# KiCad board RADAR_Main_Boardq.kicad_pcb (continued)
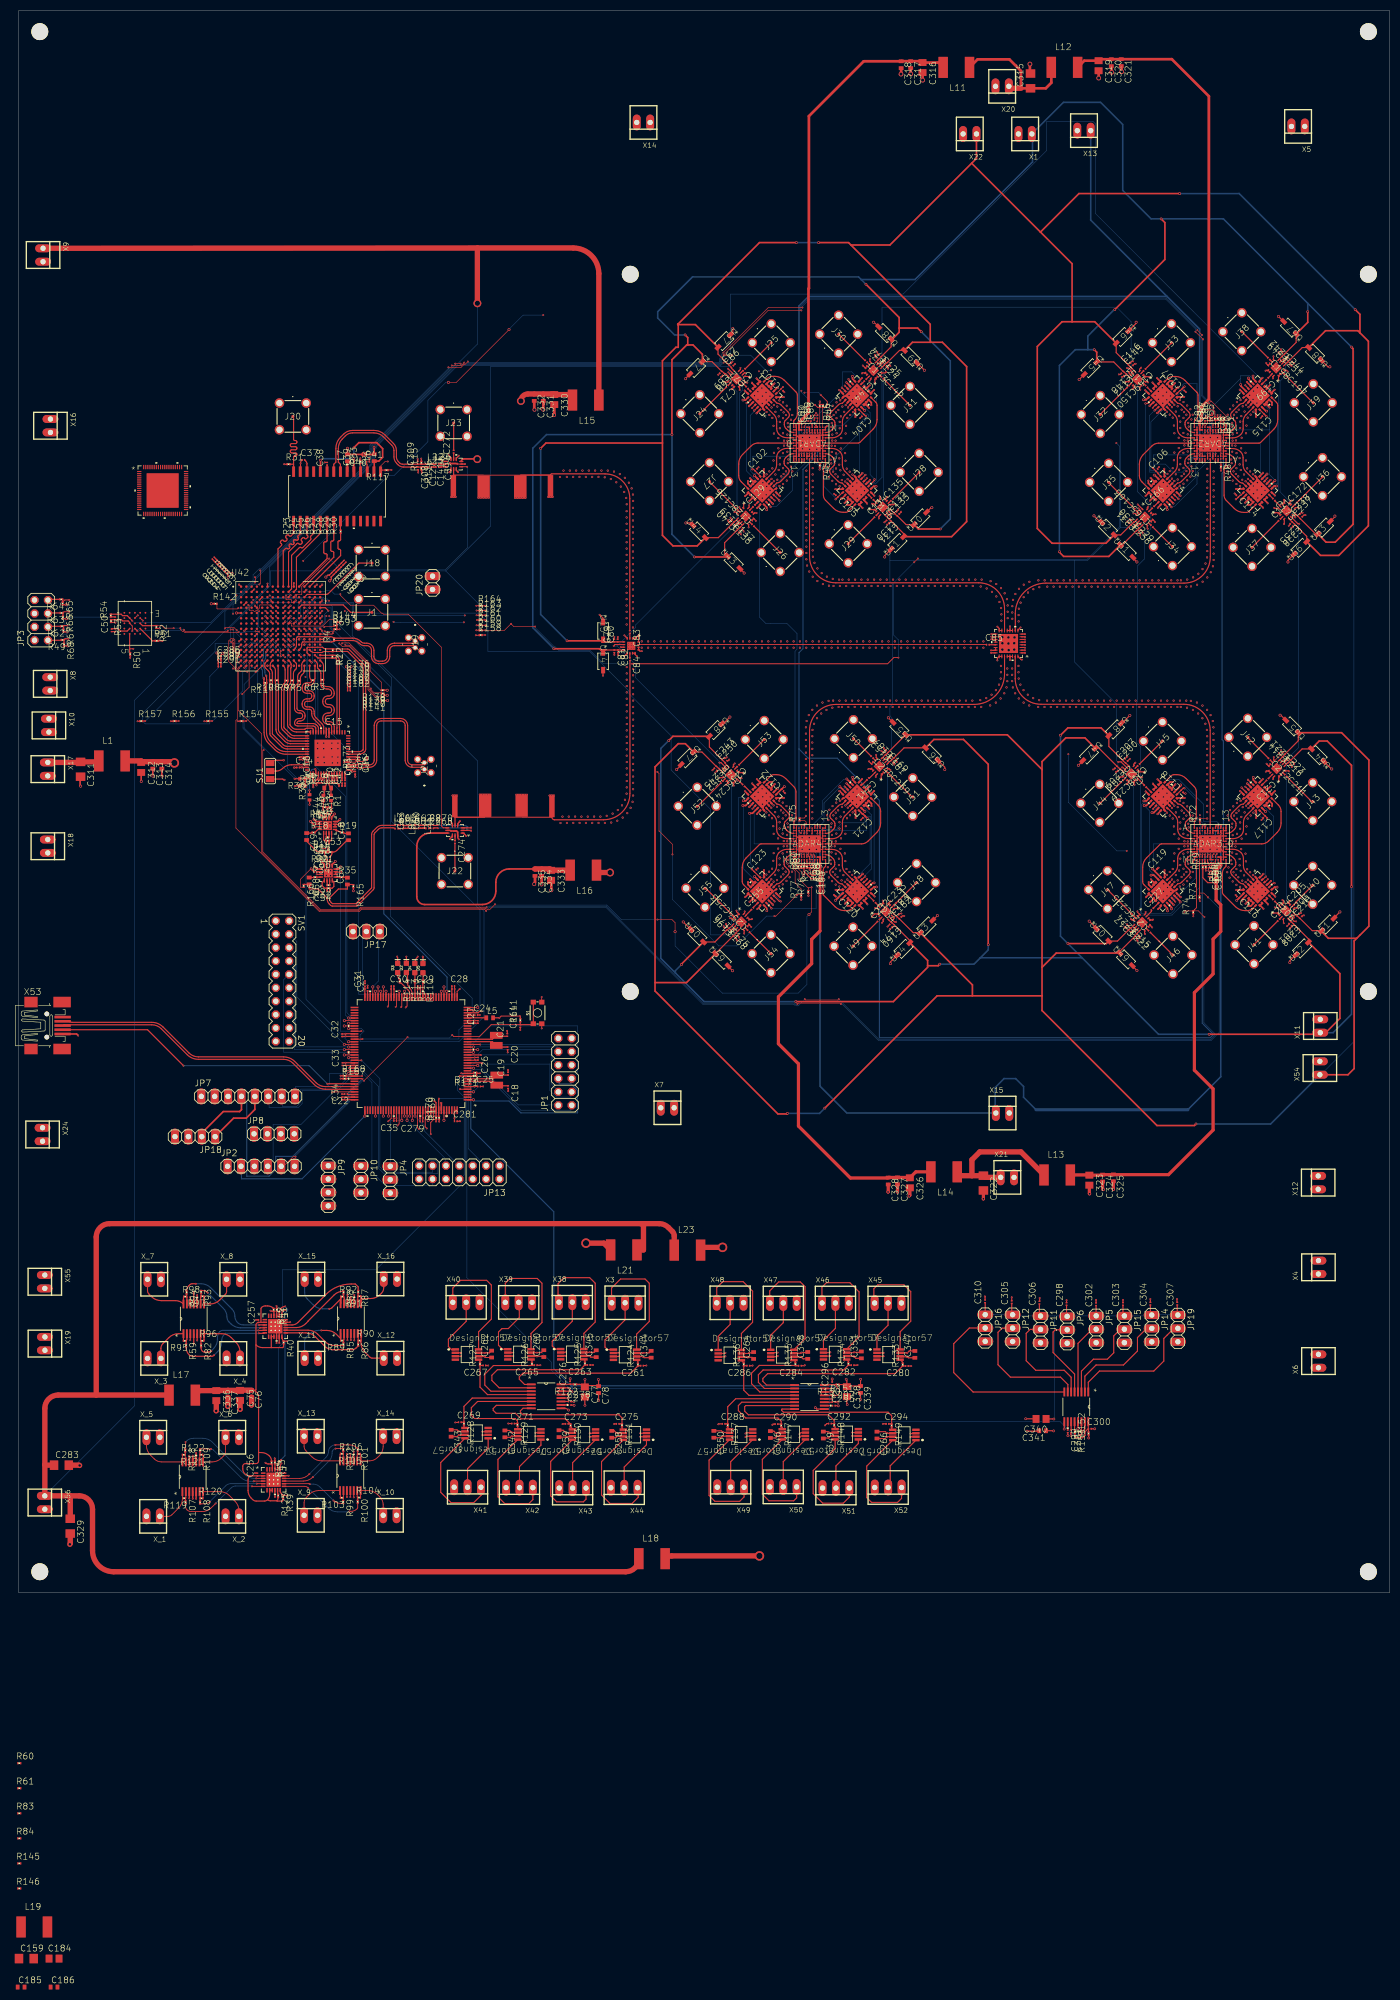
[diagram p0: board, top side]
## Routing (per net, layer and track width the routed paths; a pad name or vN(x,y) marks a point on that pad's centre or on a via; arc(x,y) is an arc through that point) (continued)
ACC_INT: length 23.2
  Top w0.152: U2.97 v5(61.76,98.98)
  Bottom w0.1: v5(61.76,98.98) 62,99 63.25,99 63.25,98.5 60.25,95.5 53.5,95.5 53.5,93 52.75,92.25 50,92.25 50,94 JP7.7
AD9523_CS: length 34.9
  Top w0.152: U2.19 v5(86.24,102.48)
  Bottom w0.1: v5(86.24,102.48) 86,102.5 85.75,102.75 85.75,103.75 89.5,107.5 106,107.5 106,98.75 105,97.75 JP1.5
AD9523_EEPROM_SEL: length 21
  Top w0.204: v1(87.55,103.95) 87.52,103.98 U2.22
  Bottom w0.1: JP1.11 104.75,105 104.75,104 87.5,104 v1(87.55,103.95)
AD9523_PD: length 24
  Top w0.152: U2.13 v5(86.24,99.48)
  Bottom w0.1: JP1.1 104.75,92.25 104.75,91.5 95.25,91.5 87.5,99.25 86.25,99.25 v5(86.24,99.48)
AD9523_REF_SEL: length 20.3
  Top w0.152: U2.14 v5(87.06,99.98)
  Bottom w0.1: v5(87.06,99.98) 87.25,100 94.75,92.5 102.25,92.5 JP1.2
AD9523_RESET: length 23.5
  Top w0.204: U2.18 87.62,101.98 v1(87.65,101.95)
  Bottom w0.1: v1(87.65,101.95) 87.75,102 101,102 101,96.5 102.25,95.25 102.25,95 JP1.4
AD9523_STATUS0: length 20.6
  Top w0.152: U2.20 v5(87.06,102.98)
  In5.Cu w0.1: v5(87.06,102.98) 87.25,103 88,103.75 103.75,103.75 104.75,102.75 JP1.9
AD9523_STATUS1: length 18.1
  Top w0.152: U2.21 v5(86.24,103.48)
  Bottom w0.1: JP1.10 102.25,102.75 102.25,103.5 86.25,103.5 v5(86.24,103.48)
AD9523_SYNC: length 26.3
  Top w0.204: v1(87.9,100.35) 87.9,100.4 87.82,100.48 U2.15
  Bottom w0.1: v1(87.9,100.35) 88,100.25 100.75,100.25 100.75,95.25 102,94 104.75,94 104.75,94.75 JP1.3
ADAR_1_CS_1V8: length 153.9
  Top w0.15: R154.2 43.14,165.29 v1(43.15,165.3) ; U42.L5 v2(45.81,180.41)
  Top w0.2: ADAR1_0.M3 152,219.95 v1(152.05,219.9)
  In5.Cu w0.1: v1(43.15,165.3) 43.25,165.25 80.5,165.25 97.5,182.25 117.75,182.25 139.5,204 140.75,204 140.75,205.5 143.5,208.25 144,208.25 151,215.25 152.5,215.25 152.5,219.25 152,219.75 v1(152.05,219.9)
  Bottom w0.1: v2(45.81,180.41) 45.75,180.25 45.25,179.75 45.25,167.25 43.25,165.25 v1(43.15,165.3)
ADAR_1_CS_3V3: length 199.4
  Top w0.15: U42.F14 v2(55.55,186.15)
  Top w0.204: U2.34 87.13,109.98 87.4,110.25 v1(87.8,110.25)
  In5.Cu w0.1: v2(55.55,186.15) 55.5,186 55.75,185.75 58,185.75 58,188.25 56.5,189.75 44.5,189.75 44.25,190 7.5,190 7.5,150.5 47.25,110.75 51.5,110.75 55.75,106.5 62.75,106.5 66.25,110 87.5,110 87.75,110.25 v1(87.8,110.25)
ADAR_2_CS_1V8: length 250.9
  Top w0.1: v5(93,239.5) 83,229.5 v5(81.5,229.5)
  Top w0.15: v1(36.7,165.3) 36.19,165.3 R155.2 ; U42.L4 v2(44.81,180.41)
  Top w0.2: ADAR2_0.M3 228.03,220.48 v1(228.03,220)
  In7.Cu w0.1: v2(44.81,180.41) 45,180.5 46.25,181.75 46.25,189 52.92,195.67 53.97,195.67 v1(53.97,195.67) ; v1(99.5,242.25) 211.25,242.25 222.5,231 222.5,227 228.25,221.25 228.25,220.25 228,220 v1(228.03,220)
  Bottom w0.1: v1(36.7,165.3) 36.75,165.25 42.5,171 42.5,174.5 43.25,175.25 43.25,179.5 44,180.25 44.75,180.25 v2(44.81,180.41) ; v1(53.97,195.67) 70.14,211.84 71.21,211.84 77.62,218.24 77.62,226.12 81,229.5 v5(81.5,229.5) ; v1(99.5,242.25) 95.67,242.25 93,239.58 v5(93,239.5)
ADAR_2_CS_3V3: length 94
  Top w0.15: U42.H16 v2(57.55,184.15)
  Top w0.152: U2.35 v5(86.24,110.48)
  Bottom w0.1: v5(86.24,110.48) 86,110.5 86,112.75 70.5,128.25 70.5,171.75 59.25,183 59.25,186.75 57.5,186.75 57,186.25 57,184.75 57.5,184.25 v2(57.55,184.15)
ADAR_3_CS_1V8: length 279.9
  Top w0.15: v1(30.35,165.3) 30.34,165.29 R156.2 ; U42.M4 v2(44.81,179.41)
  Top w0.2: v1(224.05,140.03) 224,139.98 ADAR3_0.M3
  In5.Cu w0.1: v1(199.09,159.01) 199.09,161.12 199.23,161.26 199.23,161.27 198.5,162 197.5,162 197,162.5 165,162.5 158.5,156 150.25,156 149.75,156.5 149,156.5 147.5,155 138.75,155 134.5,150.75 120.5,150.75 83.25,113.5 80,113.5 69.5,124 69.5,127.75 68,127.75 59.25,136.5 58,136.5 30.5,164 30.5,165.25 v1(30.35,165.3) ; v1(224.05,140.03) 224.05,140.4 222.45,142 218.76,142 217.44,140.68 210.16,140.68 v1(210.16,140.67)
  In7.Cu w0.1: v2(44.81,179.41) 44.75,179.5 44.25,179 44.25,176.25 33.25,165.25 30.5,165.25 v1(30.35,165.3)
  Bottom w0.1: v1(199.09,159.01) 199.09,159.01 199.09,149.94 199.07,149.91 208.31,140.67 v1(210.16,140.67)
ADAR_3_CS_3V3: length 137.8
  Top w0.15: U42.G16 v2(57.55,185.15)
  Top w0.152: U2.36 v5(87.06,110.98)
  In7.Cu w0.1: v5(87.06,110.98) 87,111 87,111.75 72.25,126.5 62.25,126.5 23.5,165.25 23.5,165.5 23.75,165.75 24.25,165.75 25.25,164.75 45,164.75 58.75,178.5 58.75,183.75 57.5,185 v2(57.55,185.15)
ADAR_4_CS_1V8: length 162.2
  Top w0.15: v1(147.97,140.03) 148,140 ADAR4_0.M3 ; U42.M2 v2(42.81,179.41) ; R157.2 23.99,165.29 v1(24,165.3)
  In7.Cu w0.1: 148,140 v1(147.97,140.03) 146,142 47.25,142 24,165.25 v1(24,165.3)
  Bottom w0.1: v2(42.81,179.41) 42.75,179.5 42.25,179.5 41.75,180 37.25,180 37.25,178.5 24,165.25 v1(24,165.3)
ADAR_4_CS_3V3: length 94.1
  Top w0.15: U2.37 83.16,114.01 v1(83.65,114.5) ; U42.J15 v2(56.55,182.41)
  Bottom w0.1: v1(83.65,114.5) 83.5,114.5 82.5,113.5 64.5,113.5 64.5,172.5 57,180 57,181.75 56.5,182.25 v2(56.55,182.41)
ADAR_RX_LOAD_1: length 159.6
  Top w0.1: v1(49.7,178.55) v1(49.7,177.55) ; ADAR1_0.N2 152.5,221 R47.2
  Top w0.15: U42.M5 v2(45.81,179.41) ; R47.2 152.97,224.77 153.37,225.17 153.37,225.88 152.1,227.14 v1(152.11,227.15)
  In7.Cu w0.1: v1(44.5,188.25) 44.4,188.15 44.4,186.35 44.65,186.1 v1(45.6,186.1) ; v1(133.7,233.25) 134.4,233.95 138.05,233.95 v1(140.4,231.6) 142.2,231.6 144.8,229 145.5,229 147.1,227.4 148.9,227.4 v1(149.05,227.55)
  Bottom w0.1: v1(149.05,227.55) 151.75,227.55 152.1,227.2 v1(152.11,227.15) ; v1(49.7,178.55) 49.7,179.05 48.7,180.05 48.65,180.05 48.2,180.5 48.2,180.55 47.7,181.05 47.65,181.05 47.2,181.5 47.2,181.55 46.7,182.05 46.65,182.05 45.45,183.25 45.45,185.95 v1(45.6,186.1) ; v1(49.7,177.55) 49.15,177.55 48.45,178.25 48.45,178.3 47.95,178.8 47.9,178.8 47.45,179.25 47.45,179.3 46.9,179.85 46.5,179.85 46.1,179.45 45.85,179.45 v2(45.81,179.41) ; v1(133.7,233.25) 133.15,232.7 83.25,232.7 67.8,217.25 67.8,217 67.45,216.65 67.45,214.4 47.55,194.5 47.55,191.1 44.7,188.25 v1(44.5,188.25)
ADAR_RX_LOAD_2: length 249.6
  Top w0.1: v1(226.1,225.9) 226.25,225.9 229,223.15 229,222.35 228.55,222.35 R71.2 228.51,222.36 v1(228.51,222) ; v1(40.65,177.65) 40.65,178.45 40.6,178.5 40.6,179.95 v1(40.2,180.35) ; v1(81.5,232.35) 83.9,232.35 84.45,232.9 84.65,232.9 v1(85.2,233.45) ; v1(148.65,243.7) 142.2,243.7 v1(133.65,235.15) ; v1(224.65,237.65) v1(223.2,239.1)
  Top w0.15: ADAR2_0.N2 228.51,221.01 R71.2 ; U42.T2 v2(42.81,175.41)
  In7.Cu w0.1: v1(40.2,188.25) v1(40.2,182.65)
  Bottom w0.1: v1(226.1,225.9) 225.7,225.9 224.5,227.1 224.5,237.5 v1(224.65,237.65) ; v1(223.2,239.1) 223.2,239.65 217.55,245.3 150.05,245.3 148.65,243.9 v1(148.65,243.7) ; v2(42.81,175.41) 42.8,175.45 42.8,175.9 42.2,176.5 42.2,176.55 41.7,177.05 41.25,177.05 v1(40.65,177.65) ; v1(133.65,235.15) 133.35,234.85 133.35,234.45 132.95,234.05 132.95,233.4 132.85,233.3 85.35,233.3 v1(85.2,233.45) ; v1(40.2,182.65) v1(40.2,180.35) ; v1(40.2,188.25) 40.4,188.25 40.95,188.8 40.95,189.25 41.15,189.45 41.9,189.45 44.45,192 44.45,193 45.65,194.2 46.05,194.2 65.25,213.4 65.25,214.3 66.65,215.7 66.65,216.75 66.6,216.8 66.6,217.6 67,218 67.35,218 81.5,232.15 v1(81.5,232.35)
ADAR_RX_LOAD_3: length 275.7
  Top w0.1: 223.06,129.57 222.78,129.28 221.32,129.28 221.13,129.09 v1(221.13,129.06) ; v1(149.1,112.55) 149.25,112.4 155.4,112.4 v1(155.55,112.55) ; v1(40.65,175.25) 40.85,175.25 41.45,174.65 41.45,165.65 41.2,165.4 41.2,145 57.05,129.15 64.6,129.15 65.05,129.6 88.35,129.6 v1(88.65,129.3) ; v1(224.9,128.15) 223.75,129.3 222.9,129.3 R74.2
  Top w0.15: U42.R1 v2(41.81,176.41) ; R74.2 223.4,129.9 223.4,138.45 223.5,138.55 ADAR3_0.N2
  Bottom w0.1: v1(155.55,112.55) 163.15,104.95 226.1,104.95 226.8,105.65 226.8,106.1 224.8,108.1 224.8,128.05 v1(224.9,128.15) ; v1(149.1,112.55) 147.85,111.3 147.55,111.3 147.4,111.45 147.15,111.45 147,111.6 129.75,111.6 111.35,130 89.35,130 v1(88.65,129.3) ; v1(40.65,175.25) v2(41.81,176.41)
ADAR_RX_LOAD_4: length 170.2
  Top w0.1: v1(143.35,128.3) 143.61,128.3 v1(147.59,132.29) 147.73,132.42 ; 121.45,144.45 121.45,155.35 v1(121.15,155.65) ; 121.45,144.45 124,141.9 v1(124,140) ; 121.45,144.45 121.45,144.4 ; 146.78,138.32 146.78,137.33 147.27,136.83 147.27,134.6 148.42,133.45 R77.2 147.76,132.45 147.73,132.42 ; 147.73,132.42 147.7,132.45 147.45,132.45
  Top w0.15: ADAR4_0.N2 147.5,138.9 147.07,138.48 146.92,138.48 146.78,138.32 ; U42.N4 v2(44.81,178.41)
  In5.Cu w0.1: v1(121.15,155.65) 116.15,160.65 116.15,160.8 114.95,162 114.95,162.5 113.15,164.3 41.65,164.3 40.3,165.65 40.3,177.8 40.8,178.3 40.8,179.1 41.5,179.8 43.95,179.8 44.2,179.55 44.2,179.5 44.8,178.9 44.8,178.45 v2(44.81,178.41)
  Bottom w0.1: v1(124,140) 124,131.45 132.8,122.65 136.2,122.65 141.85,128.3 v1(143.35,128.3)
ADAR_TR_1: length 407
  Top w0.15: U42.N2 v2(42.81,178.41) ; v1(88.5,181.6) 87.88,181.6 R158.2
  Top w0.2: ADAR1_0.N6 v1(150.5,221.53)
  In5.Cu w0.1: v1(88.5,181.6) 88.5,181.5 84,177 54.25,177 52.5,175.25 46.5,175.25 44.75,177 43.5,177 43.25,177.25 43.25,178.25 42.75,178.25 v2(42.81,178.41) 42.75,178.5 42.25,179 41,179 41,165.25 41.75,164.5 113.25,164.5 115,162.75 116.75,162.75 117.25,163.25 145.25,163.25 146,162.5 149.5,162.5 150,163 214.75,163 223.25,154.5 223.25,145.75 224.25,144.75 226.25,144.75 227.5,143.5 228.25,143.5 228.25,140.5 227.5,139.75 226.25,139.75 226,139.5 225.25,139.5 225,139.25 224,139.25 224,138.75 225,137.75 226.25,137.75 226.5,137.5 228.75,137.5 228.75,145 228.5,145.25 228.5,152 226.75,153.75 226.25,153.75 211.5,168.5 210.75,168.5 209.5,169.75 208.75,169.75 189.68,188.82 188.23,188.82 187.88,189.16 187.88,191.35 179.73,199.5 174.94,199.5 164.25,210.19 164.25,211.25 155.25,220.25 153.25,220.25 152.75,220.75 151.25,220.75 150.5,221.5 v1(150.5,221.53)
ADAR_TR_2: length 240.4
  Top w0.1: v1(88.5,182.5) 92.15,182.5 93.39,183.74 v1(93.4,183.73) 93.4,183.7 93.9,183.2 v1(97.95,183.2) ; v1(169.85,195.4) v1(170.55,196.1) ; v1(226.58,221.46) 226.5,221.38 ADAR2_0.N6
  Top w0.15: v1(88.5,182.5) 87.88,182.5 R159.2 ; U42.N1 v2(41.81,178.41)
  Top w0.152: v1(166.86,177.31) 165.97,177.31 164.81,176.15 v1(116.35,176.15)
  In5.Cu w0.1: v2(41.81,178.41) 41.75,178.25 42.25,178.25 42.25,177.25 42.5,177 42.75,177 43,176.75 43.25,176.75 43.25,176.25 44.5,175 89,175 89,182 v1(88.5,182.5) ; v1(208.2,218) 208.2,218.55 208.7,219.05 210,219.05 210.65,218.4 220.2,218.4 220.65,218.85 221.45,218.85 224.05,221.45 226.55,221.45 v1(226.58,221.46)
  Bottom w0.1: v1(169.85,195.4) 165.95,191.5 165.95,181.59 166.86,180.68 v1(166.86,177.31) ; v1(170.55,196.1) 170.7,195.95 202.65,195.95 208.8,202.1 208.8,217.4 v1(208.2,218) ; v1(116.35,176.15) 110.9,176.15 108.35,178.7 102.4,178.7 101.7,179.4 101.55,179.4 97.95,183 v1(97.95,183.2)
ADAR_TR_3: length 279.6
  Top w0.15: U42.P1 v2(41.81,177.41) ; v1(88.5,183.45) 88.49,183.44 R160.2
  Top w0.2: v1(225.6,138.4) 225.5,138.5 ADAR3_0.N6
  In5.Cu w0.1: 43.75,175 42.75,175 42.75,165 43,164.75 113.5,164.75 114.25,164 148.75,164 149.5,163.25 215,163.25 224.5,153.75 224.5,147 226.75,144.75 228.5,144.75 228.5,140.25 227.5,139.25 225.5,139.25 225.5,138.5 v1(225.6,138.4) ; 43.75,175 44.5,174.25 45.25,174.25 45.5,174.5 89.25,174.5 89.25,182.25 88.5,183 v1(88.5,183.45) 88.5,183.5 ; 43.75,175 42.75,176 41.5,176 41.25,176.25 41.25,177.25 41.75,177.25 v2(41.81,177.41)
ADAR_TR_4: length 142.7
  Top w0.15: R161.2 87.88,184.45 v1(88.5,184.45) ; U42.P4 v2(44.81,177.41) ; ADAR4_0.N6 149.5,138.6 v1(149.57,138.53)
  In7.Cu w0.1: v1(88.5,184.45) 88.5,184.5 105.5,167.5 116.5,167.5 138.25,145.75 144.25,145.75 148.5,141.5 150,141.5 151.25,140.25 151.25,140 150.75,139.5 150.5,139.5 149.5,138.5 v1(149.57,138.53)
  Bottom w0.1: v2(44.81,177.41) 44.75,177.5 44.25,178 44.25,180 45,180 45.25,180.25 45.25,187.75 63.5,187.75 63.5,185.75 87.25,185.75 88.5,184.5 v1(88.5,184.45)
ADAR_TX_LOAD_1: length 157
  Top w0.1: R46.2 151.95,221.05 ADAR1_0.N3 ; v1(41.35,182.5) 40.85,183 39.25,183 v1(39.1,182.85) ; v1(135.35,234.65) v1(134.15,234.65) ; v1(44.8,192.55) 44.9,192.45 44.9,191.65 v1(44.8,191.55) ; v1(83.8,233.05) v1(82.8,233.05)
  Top w0.15: R46.2 151.51,224.77 151.05,225.24 151.05,225.24 v1(151.05,225.25) ; U42.P3 v2(43.81,177.41)
  In7.Cu w0.1: v1(42.9,180.35) 43.2,180.05 43.2,178.5 43.8,177.9 43.8,177.45 v2(43.81,177.41) ; v1(148.45,227.9) 144.55,231.8 v1(142.7,231.8)
  Bottom w0.1: v1(41.35,182.5) 41.2,182.35 41.2,182.05 v1(42.9,180.35) ; v1(39.1,182.85) 39.1,186.05 44.6,191.55 v1(44.8,191.55) ; v1(148.45,227.9) 148.45,227.65 150.85,225.25 151.05,225.25 v1(151.05,225.25) ; v1(142.7,231.8) 141.7,231.8 138.85,234.65 v1(135.35,234.65) ; v1(134.15,234.65) 133.35,233.85 133.35,233.2 133.05,232.9 83.95,232.9 v1(83.8,233.05) ; v1(44.8,192.55) 45,192.55 65.65,213.2 65.65,214.1 65.85,214.3 66.75,214.3 67.05,214.6 67.05,216.95 67,217 67,217.4 67.2,217.6 67.55,217.6 82.8,232.85 v1(82.8,233.05)
ADAR_TX_LOAD_2: length 252.9
  Top w0.1: v1(82.15,232.7) 83.95,232.7 v1(84.5,233.25) ; v1(43.35,174.65) 42.05,174.65 41.3,175.4 41.3,178.1 40.8,178.6 40.8,180.05 40.6,180.25 v1(40.6,180.6) ; R70.2 227.99,222.33 v1(227.99,222.01) ; v1(45.65,191.2) 45.9,191.45 45.9,193.75 v1(45.8,193.85) ; v1(224.45,238.5) v1(223.55,239.4) ; v1(226.65,224.65) v1(225.75,225.55) ; v1(148.45,243.15) 142.15,243.15 v1(133.7,234.7)
  Top w0.15: ADAR2_0.N3 228,222.31 R70.2 ; U42.T4 v2(44.81,175.41)
  In7.Cu w0.1: v1(40.65,185.65) v1(40.65,182.65)
  Bottom w0.1: v1(40.6,180.6) 40.8,180.8 40.8,182.5 v1(40.65,182.65) ; v2(44.81,175.41) 44.8,175.4 44.1,175.4 v1(43.35,174.65) ; v1(148.45,243.15) 148.3,243.3 148.3,243.85 149.95,245.5 217.65,245.5 223.55,239.6 v1(223.55,239.4) ; v1(226.65,224.65) 226.65,223.8 227.05,223.4 227.05,222.95 227.95,222.05 v1(227.99,222.01) ; v1(82.15,232.7) 82.15,232.5 67.45,217.8 67.1,217.8 66.8,217.5 66.8,216.9 66.85,216.85 66.85,214.7 66.65,214.5 65.75,214.5 65.45,214.2 65.45,213.3 46,193.85 v1(45.8,193.85) ; v1(133.7,234.7) 133.7,234.5 133.15,233.95 133.15,233.3 132.95,233.1 84.65,233.1 v1(84.5,233.25) ; v1(40.65,185.65) 40.65,187.3 44.55,191.2 v1(45.65,191.2) ; v1(224.45,238.5) 224.3,238.35 224.3,227 v1(225.75,225.55)
ADAR_TX_LOAD_3: length 272.5
  Top w0.1: v1(155.95,111.65) 155.8,111.8 147.85,111.8 v1(147.7,111.65) ; v1(46.45,159.8) 46.3,159.65 46.3,140.5 57.25,129.55 64.4,129.55 64.85,130 v1(88.75,130) ; 223.99,132.68 224.79,132.68 225.61,131.85 v1(225.61,131.85) ; v1(42.4,170.4) 43.7,171.7 43.7,176.8 44.05,176.8 44.05,176.75 U42.R3
  Top w0.15: R73.2 223.99,138.41 224,138.43 ADAR3_0.N3 ; U42.R3 v2(43.81,176.41)
  Bottom w0.1: v1(46.45,159.8) 46.45,160 42.55,163.9 42.55,170.25 v1(42.4,170.4) ; v1(88.75,130) 89.05,130 89.25,130.2 111.45,130.2 129.85,111.8 147.1,111.8 147.25,111.65 v1(147.7,111.65) ; v1(155.95,111.65) 156.15,111.65 163.05,104.75 226.2,104.75 227.7,106.25 227.7,129.8 225.65,131.85 v1(225.61,131.85)
ADAR_TX_LOAD_4: length 195.9
  Top w0.1: 149.8,133.58 149.99,133.77 v1(150.39,133.77) 150.39,129.09 v5(149.9,128.6) ; 149.8,133.58 149.8,133.15 ; 149.8,133.58 149.8,133.73 149.78,133.75 149.61,133.75 148.03,135.32 148.03,136.47 147.31,137.19 147.31,138.29 ; v1(90.35,130.55) 89.3,129.5 89,129.5 88.85,129.65 88.6,129.65 88.45,129.8 64.95,129.8 64.5,129.35 57.15,129.35 46.1,140.4 46.1,162.85 41.65,167.3 41.65,174.75 39.85,176.55 39.85,180.5 40.3,180.95 40.75,180.95 41,180.7 41,178.7 41.5,178.2 41.5,178.05 v1(41.65,177.9) ; v5(124.5,125.35) 124.5,127.05 123.9,127.65 v1(121.15,127.65) ; 149.7,133.15 R76.2
  Top w0.15: U42.R2 v2(42.81,176.41) ; 149.91,133.15 R76.2 ; ADAR4_0.N3 148,138.73 147.8,138.53 147.55,138.53 147.31,138.29
  Bottom w0.1: v1(90.35,130.55) 90.5,130.4 111.55,130.4 114.3,127.65 v1(121.15,127.65) ; v5(149.9,128.6) 149.5,128.2 149.5,115.35 147.85,113.7 133.45,113.7 124.5,122.65 v5(124.5,125.35) ; v1(41.65,177.9) 41.85,177.9 42.2,177.55 42.2,177.5 42.8,176.9 42.8,176.45 v2(42.81,176.41)
ADC_CLK_IN_N: length 2.5
  Top w0.204: 62.88,156.99 62.8,157 U1.45 ; 62.88,156.99 62.88,157 R173.2 ; 62.88,156.99 63.05,156.99 63.06,156.98 63.12,156.98 63.14,157 63.86,157 63.88,156.98 64.17,156.98 C2.1
ADC_CLK_IN_P: length 2.5
  Top w0.204: 62.88,156.51 62.8,156.5 U1.44 ; 62.88,156.51 63.05,156.51 63.06,156.52 63.12,156.52 63.14,156.5 63.86,156.5 63.88,156.52 64.18,156.52 C1.1 ; 62.88,156.51 62.88,156.5 R173.1
ADC_D0_N: length 17.9
  Top w0.204: U1.3 60.85,163.96 60.83,163.98 60.83,176.68 arc(60.73,177.16) 60.46,177.58 arc(60.26,177.71) 60.03,177.75 R2.1 57.24,177.75 arc(57.21,177.76) U42.P16
ADC_D0_P: length 18.3
  Top w0.204: U1.4 60.35,163.96 60.37,163.98 60.37,176.68 arc(60.31,176.99) 60.13,177.25 59.51,177.25 arc(59.51,177.25) R2.2 56.78,177.25 arc(56.75,177.25) 56.72,177.27 56.23,177.76 arc(56.21,177.77) U42.P15
ADC_D1_N: length 19.4
  Top w0.204: U42.R16 57.52,176.44 arc(57.74,176.11) 57.82,175.73 R3.1 arc(57.8,173.09) 57.8,173.07 57.8,172.08 arc(58.07,171.9) 58.39,171.83 58.65,171.83 arc(59.09,171.75) 59.46,171.5 arc(59.75,171.06) 59.85,170.55 59.85,170.52 arc(59.57,169.83) 58.88,169.55 58.64,169.55 arc(58.31,169.41) 58.17,169.08 58.17,168.9 arc(58.31,168.57) 58.64,168.43 58.88,168.43 arc(59.57,168.15) 59.85,167.46 59.85,167.29 arc(59.57,166.6) 58.88,166.32 58.64,166.32 arc(58.31,166.18) 58.17,165.84 58.17,165.67 arc(58.31,165.34) 58.64,165.2 58.88,165.2 arc(59.57,164.92) 59.85,164.23 U1.5
ADC_D1_P: length 19.6
  Top w0.204: U1.6 59.35,164.23 arc(59.21,164.56) 58.88,164.7 58.64,164.7 arc(57.95,164.99) 57.67,165.67 57.67,165.84 arc(57.95,166.53) 58.64,166.82 58.88,166.82 arc(59.21,166.95) 59.35,167.29 59.35,167.46 arc(59.21,167.79) 58.88,167.93 58.64,167.93 arc(57.95,168.22) 57.67,168.9 57.67,169.08 arc(57.95,169.76) 58.64,170.05 58.88,170.05 arc(59.21,170.19) 59.35,170.52 59.35,170.64 arc(59.29,170.93) 59.13,171.17 arc(58.91,171.32) 58.65,171.37 58.39,171.37 arc(57.89,171.47) 57.47,171.75 arc(57.37,171.9) 57.34,172.08 57.34,173.04 arc(57.33,173.08) R3.2 57.3,174.31 arc(57.23,174.69) 57.01,175.02 56.75,175.28 arc(56.69,175.37) 56.67,175.47 56.67,175.94 arc(56.61,176.26) 56.42,176.54 U42.R15
ADC_D2_N: length 18.3
  Top w0.204: U1.9 57.85,163.96 arc(57.76,164.42) 57.5,164.81 56.33,165.97 arc(56.12,166.3) 56.04,166.68 56.04,167.09 arc(55.78,167.72) 55.15,167.98 54.65,167.98 arc(54.35,168.1) 54.22,168.4 54.22,168.61 arc(54.35,168.91) 54.65,169.03 55.15,169.03 arc(55.78,169.29) 56.04,169.92 56.04,170.13 arc(55.78,170.76) 55.15,171.02 54.66,171.02 arc(54.36,171.14) 54.23,171.45 54.23,171.65 arc(54.36,171.95) 54.66,172.07 55.15,172.07 arc(55.78,172.34) 56.04,172.97 56.04,173 arc(56.04,173.02) R6.1 arc(56.15,173.18) 56.18,173.34 U42.T15
ADC_D2_P: length 18.4
  Top w0.204: U42.T14 55.18,173.82 arc(55.26,173.44) 55.47,173.11 R6.2 arc(55.57,173.01) 55.58,172.97 arc(55.45,172.66) 55.15,172.54 54.65,172.54 arc(54.02,172.28) 53.76,171.65 53.76,171.45 arc(54.02,170.82) 54.65,170.55 55.15,170.55 arc(55.45,170.43) 55.58,170.13 55.58,169.92 arc(55.45,169.62) 55.15,169.5 54.65,169.5 arc(54.02,169.24) 53.76,168.61 53.76,168.4 arc(54.02,167.77) 54.65,167.51 55.15,167.51 arc(55.45,167.39) 55.58,167.09 55.58,166.68 arc(55.69,166.12) 56,165.65 57.11,164.54 arc(57.29,164.27) 57.35,163.96 U1.10
ADC_D3_N: length 18.8
  Top w0.204: U1.11 56.85,163.96 arc(56.81,164.16) 56.7,164.33 56.48,164.55 arc(56.18,164.74) 55.84,164.81 52.94,164.81 arc(52.85,164.83) 52.78,164.88 arc(52.91,165.18) 53.21,165.31 53.42,165.31 arc(54.05,165.57) 54.31,166.2 54.31,166.38 arc(54.05,167.01) 53.42,167.27 53.21,167.27 arc(52.91,167.4) 52.78,167.7 52.78,171.55 arc(52.8,171.63) 52.85,171.71 ; U42.T13 54.18,174.76 arc(54.14,174.54) 54.01,174.35 53.71,174.05 arc(53.49,173.72) 53.41,173.34 R5.1 53.41,172.44 arc(53.39,172.29) 53.3,172.16 52.85,171.71 ; 52.85,171.71 arc(52.8,171.64) 52.79,171.57
ADC_D3_P: length 19.8
  Top w0.204: U42.R13 53.89,176.49 arc(53.74,176.26) 53.68,175.98 53.68,174.98 arc(53.66,174.86) 53.59,174.76 53.2,174.37 arc(52.98,174.04) 52.9,173.66 R5.2 arc(52.95,172.87) 52.97,172.78 52.97,172.49 52.52,172.03 arc(52.38,171.82) 52.33,171.57 arc(52.32,171.56) 52.32,171.55 52.32,167.7 arc(52.58,167.07) 53.21,166.81 53.42,166.81 arc(53.72,166.68) 53.84,166.38 53.84,166.2 arc(53.72,165.9) 53.42,165.77 53.21,165.77 arc(52.58,165.51) 52.32,164.88 arc(52.35,164.7) 52.45,164.55 arc(52.68,164.4) 52.94,164.35 55.84,164.35 arc(56.01,164.32) 56.15,164.22 56.31,164.06 arc(56.34,164.02) 56.35,163.96 U1.12
ADC_D4_N: length 18.2
  Top w0.204: U1.13 55.85,163.65 arc(55.83,163.77) 55.76,163.87 arc(55.69,163.91) 55.62,163.93 54.67,163.93 arc(54.5,163.9) 54.36,163.8 arc(54.28,163.75) 54.19,163.73 52.62,163.73 arc(52.24,163.81) 51.92,164.02 51.54,164.4 arc(51.48,164.49) 51.46,164.59 51.46,171.32 arc(51.52,171.64) 51.71,171.92 51.81,172.02 arc(52.03,172.35) 52.1,172.73 R7.1 52.1,174.26 arc(52.18,174.64) 52.4,174.97 52.59,175.16 arc(52.66,175.26) 52.68,175.38 52.68,176.17 arc(52.67,176.2) 52.66,176.22 52.24,176.64 arc(52.19,176.71) U42.R11
ADC_D4_P: length 17.6
  Top w0.204: U42.R10 51.5,176.46 arc(51.61,176.29) 51.65,176.1 arc(51.66,176.08) 51.67,176.05 51.67,175.44 arc(51.61,175.36) 51.6,175.26 R7.2 51.6,172.76 arc(51.54,172.48) 51.38,172.25 arc(51.1,171.82) 51,171.32 51,164.59 arc(51.05,164.31) 51.21,164.07 51.64,163.65 arc(52.11,163.33) 52.67,163.22 55.19,163.22 arc(55.28,163.2) U1.14
ADC_D5_N: length 17
  Top w0.204: U1.15 52.25,162.5 arc(51.87,162.58) 51.55,162.79 50.38,163.96 arc(50.32,164.05) 50.3,164.15 50.3,171.28 arc(50.38,171.66) 50.59,171.98 50.75,172.14 arc(50.97,172.47) 51.04,172.85 R9.1 51.04,175.45 arc(51.08,175.63) U42.T10
ADC_D5_P: length 17.8
  Top w0.204: U42.T9 50.24,175.72 arc(50.46,175.39) 50.54,175.01 R9.2 50.54,172.83 arc(50.49,172.6) 50.36,172.41 50.26,172.31 arc(49.95,171.84) 49.84,171.28 49.84,164.15 arc(49.89,163.87) 50.05,163.63 51.26,162.43 arc(51.73,162.11) 52.29,162 U1.16
ADC_D6_N: length 18.6
  Top w0.204: U1.17 51.5,161.5 arc(51.12,161.58) 50.8,161.79 49.55,163.04 arc(49.34,163.36) 49.26,163.74 49.26,172.88 arc(49.25,172.95) R8.1 49.21,175.72 arc(49.2,175.75) U42.T8
ADC_D6_P: length 19.5
  Top w0.204: U1.18 51.54,161 arc(50.98,161.11) 50.51,161.43 49.22,162.71 arc(48.91,163.18) 48.8,163.74 48.8,172.15 arc(48.72,172.26) 48.7,172.39 R8.2 48.7,174.85 arc(48.62,175.23) 48.4,175.56 U42.T7
ADC_D7_N: length 21.7
  Top w0.204: U1.19 50.86,160.5 arc(50.48,160.58) 50.16,160.79 48.11,162.84 48.11,173 arc(48.11,173) R10.1 48.1,174.4 arc(48.03,174.78) 47.81,175.11 47.7,175.22 47.7,175.89 arc(47.78,176.27) 47.99,176.59 U42.R7
ADC_D7_P: length 22.7
  Top w0.204: U1.20 50.9,160 arc(50.34,160.11) 49.87,160.43 47.78,162.51 arc(47.68,162.66) 47.65,162.84 47.65,172.89 arc(47.63,172.95) R10.2 47.6,174.28 arc(47.54,174.53) 47.4,174.75 46.78,175.37 arc(46.71,175.48) 46.68,175.61 46.68,176.2 arc(46.69,176.26) 46.72,176.3 47.17,176.75 arc(47.18,176.76) U42.R6
ADC_DCO_N: length 33.7
  Top w0.204: U1.49 63.31,159 63.33,159.02 64.56,159.02 arc(65.12,159.13) 65.59,159.45 65.63,159.48 arc(65.77,159.69) 65.81,159.93 65.81,175.11 arc(65.7,175.67) 65.39,176.14 62.71,178.82 arc(62.56,178.92) 62.38,178.95 59.62,178.95 arc(59.59,178.96) R12.1 58.3,178.98 arc(57.94,179.05) 57.64,179.25 arc(57.61,179.27) 57.57,179.28 54.75,179.28 arc(54.7,179.2) 54.68,179.11 54.68,178.23 55.09,177.82 arc(55.13,177.79) U42.P14
ADC_DCO_P: length 30.2
  Top w0.204: U42.N14 55.39,178.57 arc(55.71,178.36) 56.09,178.28 57.52,178.28 arc(57.72,178.42) 57.97,178.47 R12.2 arc(59.6,178.48) 59.63,178.49 62.38,178.49 65.06,175.81 arc(65.27,175.49) 65.35,175.11 65.35,159.93 arc(65.34,159.87) 65.3,159.81 65.26,159.77 arc(64.94,159.56) 64.56,159.48 63.33,159.48 63.31,159.5 U1.50
ADC_IF_IN_N: length 1.9
  Top w0.204: R1.2 arc(59.3,150.1) 59.32,149.98 R17.1 59.32,148.37 arc(59.32,148.35) C45.2
ADC_IF_IN_P: length 1.9
  Top w0.204: R13.2 57.79,149.02 arc(57.78,148.98) R16.2 57.76,148.48 arc(57.77,148.41) C44.2
ADC_OR_N: length 25.6
  Top w0.204: v2(46.95,178.4) 47.18,178.63 U42.N6 ; U1.21 50.65,159.5 arc(49.68,159.69) 48.86,160.24 47.74,161.36 arc(47.19,162.18) 47,163.15 47,172.45 arc(47.01,172.49) R11.1 47.03,173.15 47.01,173.17 47.01,173.72 arc(46.99,173.81) v2(46.94,173.89)
  Bottom w0.204: v2(46.95,178.4) arc(46.93,178.29) 46.86,178.19 46.86,177.55 arc(46.76,177.01) 46.45,176.55 arc(46.43,176.53) 46.43,176.5 46.43,175.43 arc(46.63,175.13) 46.7,174.77 46.7,174.46 arc(46.76,174.15) v2(46.94,173.89)
ADC_OR_P: length 27.6
  Top w0.204: v2(46.47,173.42) 46.54,173.35 46.54,173.17 46.52,173.15 R11.2 arc(46.53,172.51) 46.54,172.49 46.54,163.15 arc(46.76,162) 47.41,161.03 48.56,159.88 arc(49.54,159.23) 50.69,159 U1.22 ; U42.M6 v2(46.7,179.3)
  Bottom w0.204: v2(46.7,179.3) arc(46.48,178.97) 46.4,178.58 46.4,177.55 arc(46.33,177.19) 46.12,176.88 arc(46.01,176.7) 45.96,176.5 45.96,175.43 arc(46,175.25) 46.1,175.1 arc(46.2,174.95) 46.24,174.77 46.24,173.99 arc(46.3,173.68) v2(46.47,173.42)
ADC_PWRD: length 27.9
  Top w0.15: v1(44.92,174.57) 44.95,174.55 U42.T5
  Top w0.204: R36.2 v2(52.35,154.35)
  Bottom w0.1: v2(52.35,154.35) 52.25,154.5 42.75,164 42.75,172.25 45,174.5 v1(44.92,174.57)
ADF4382_RX_CE: length 23.2
  Top w0.152: U2.124 v5(73.16,90.4)
  In5.Cu w0.1: v5(73.16,90.4) 73.25,90.5 73.75,91 81.25,91 82,90.25 82,78.5 81.25,78.5 JP13.10
ADF4382_RX_CS: length 13.6
  Top w0.152: U2.125 v5(73.66,89.58)
  Bottom w0.1: JP13.9 81,81 81,82.25 73.75,89.5 v5(73.66,89.58)
ADF4382_RX_DELADJ: length 38.5
  Top w0.152: U2.92 v5(62.58,101.48)
  Bottom w0.1: JP13.12 78.5,77.25 69.5,77.25 67,79.75 67,96.75 62.5,101.25 v5(62.58,101.48)